# Allegro board BeagleBoard-X15_RevA2.brd (continued)
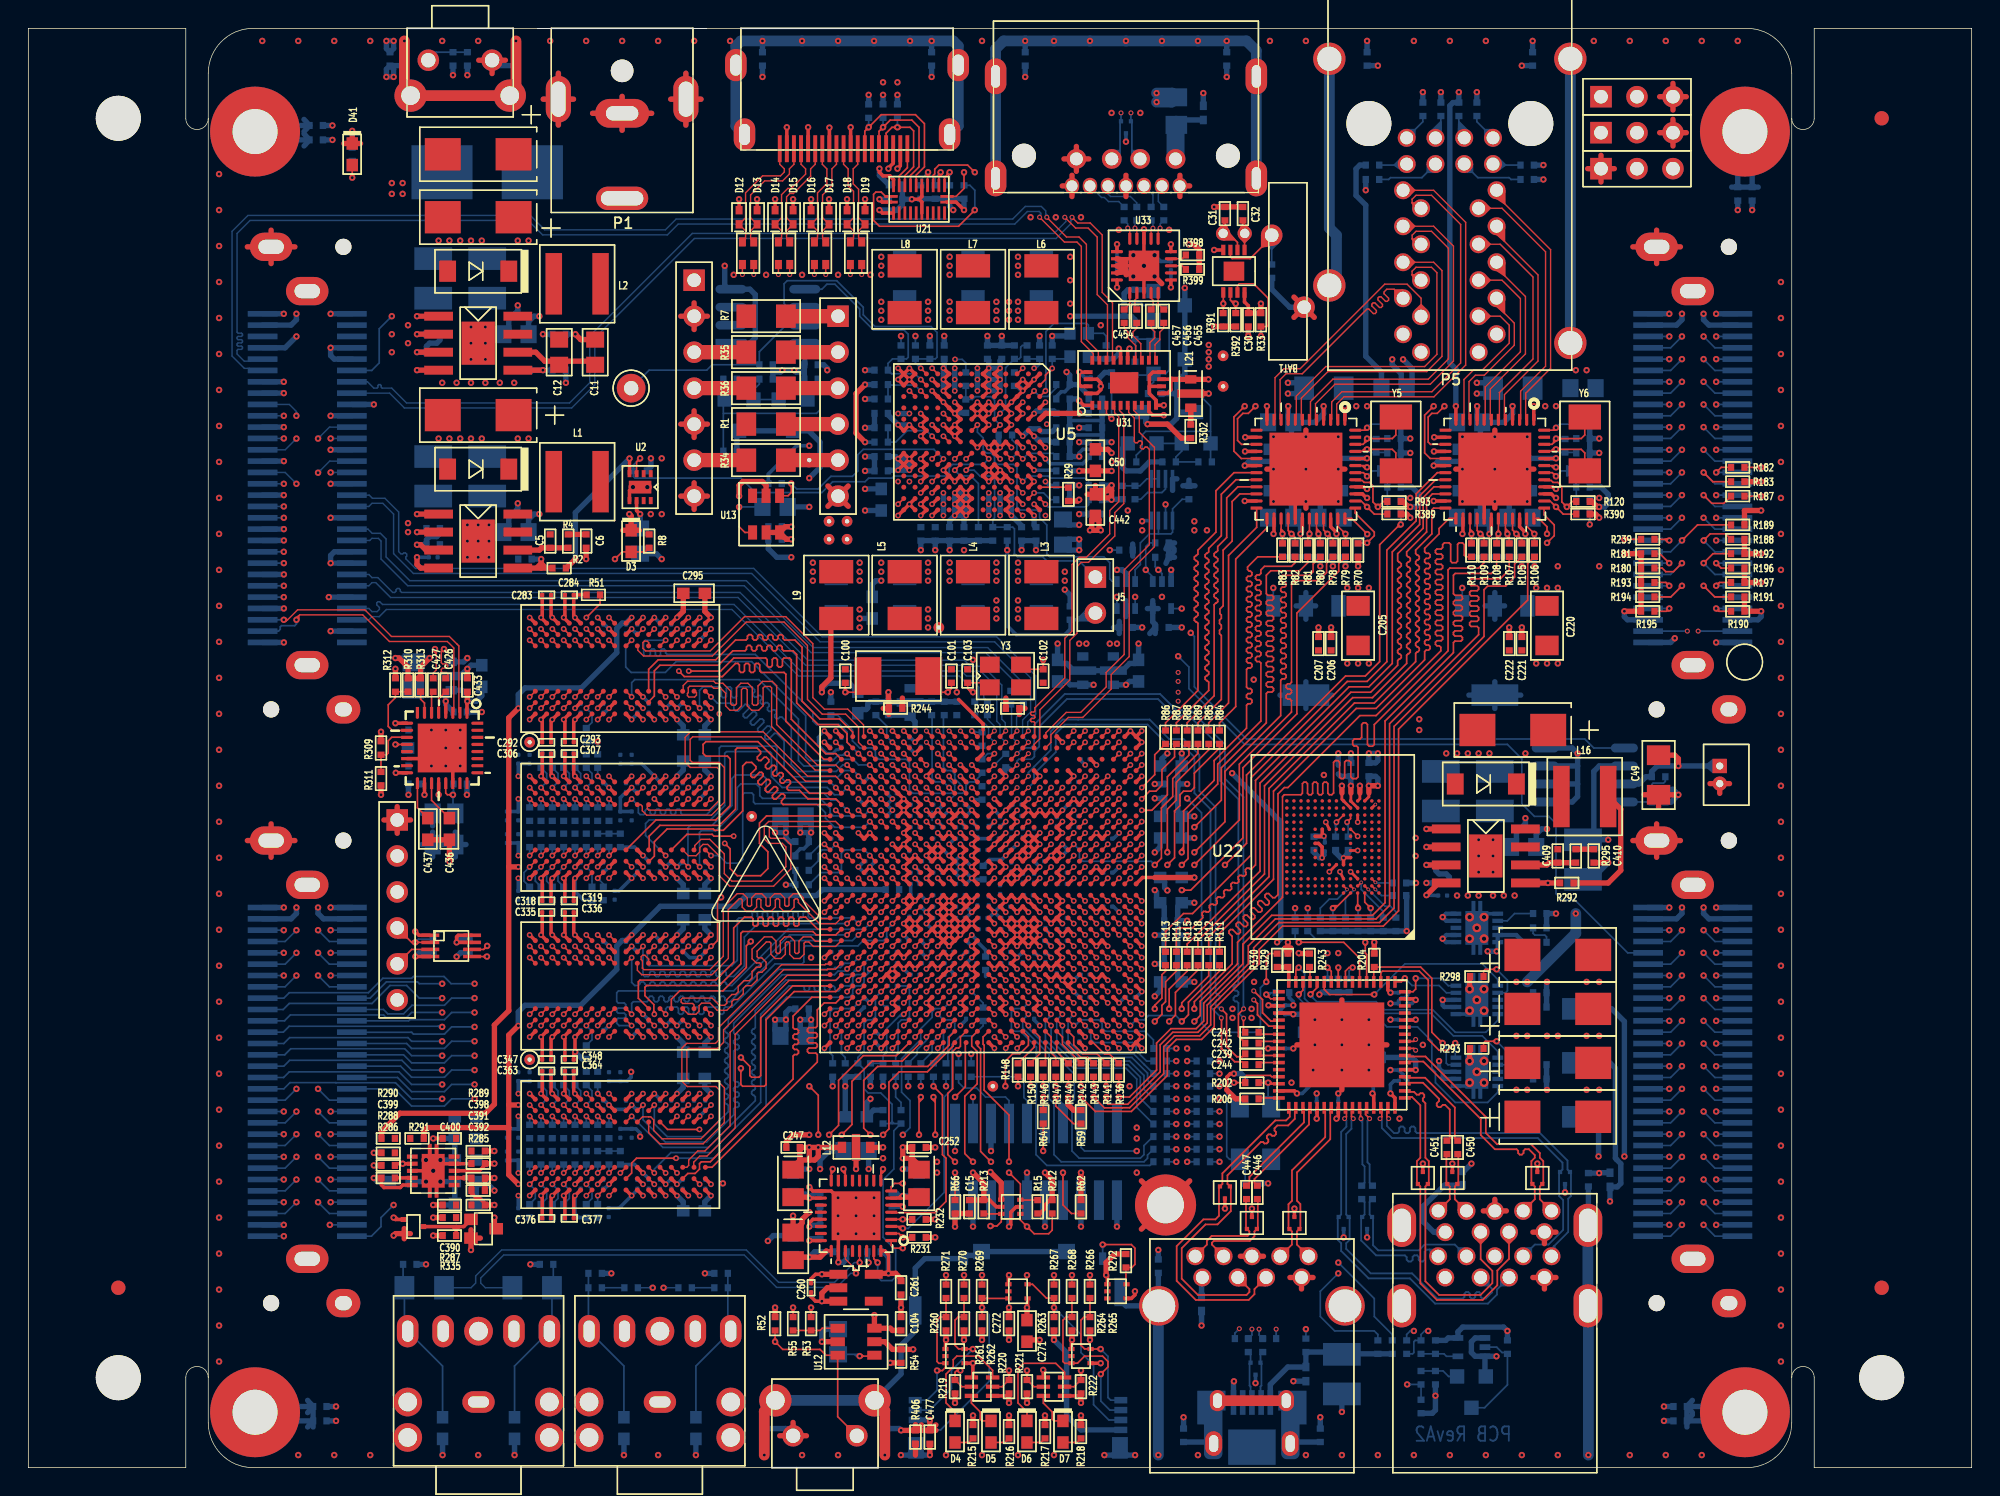
[diagram p0: board, top side]
## Routing (per net, layer and track width the routed paths; a pad name or vN(x,y) marks a point on that pad's centre or on a via; arc(x,y) is an arc through that point) (continued)
  SIG_L10 w0.094: v1(76.99,30.41) 77.16,30.41 77.59,29.98 79.51,29.98 80.52,30.99 81.41,30.99 81.89,31.47 81.89,31.98 v2(82.3,32.38)
EMAC[0]_RXC: length 36.7
  TOP w0.12: v2(81.41,40.77) 82.04,40.77 85.72,44.45 85.72,49.4 89.53,53.21 89.53,60.33 92.49,63.28 92.49,63.82 R79.1 ; U11.U5 v1(75.39,43.21)
  GND_L9 w0.094: v2(81.41,40.77) 80.92,41.25 77.62,41.25 77.34,41.53 77.34,41.78 77.17,41.96 76.79,41.96 76.58,42.16 76.58,42.55 76.3,42.83 75.76,42.83 v1(75.39,43.21)
EMAC[0]_RXCTL: length 36.7
  TOP w0.12: U11.V5 v1(75.39,44.01) ; v2(82.3,42.55) 85.47,45.72 85.47,49.66 89.15,53.34 89.15,54.15 89.05,54.25 88.88,54.25 88.77,54.36 88.77,54.51 88.88,54.61 89.05,54.61 89.15,54.72 89.15,54.86 89.05,54.97 88.88,54.97 88.77,55.08 88.77,55.22 88.88,55.33 89.05,55.33 89.15,55.44 89.15,62.36 89.41,62.61 91.06,62.61 91.63,63.18 91.63,63.85 R78.1
  GND_L9 w0.094: v2(82.3,42.55) 82.13,42.55 81.61,42.03 81.1,42.03 80.77,42.36 80.77,42.66 80.51,42.93 79.39,42.93 79.29,42.83 77.63,42.83 77.41,43.05 77.41,43.32 77.14,43.58 75.81,43.58 v1(75.39,44.01)
EMAC[0]_TXC: length 19
  TOP w0.12: U11.W9 v1(72.19,44.81) ; R85.1 83.31,50.67 81.03,48.39 81.03,47.12 80.39,46.48 v2(80.39,43.43)
  PWR_L6 w0.094: v2(80.39,43.43) 80.39,44.32 79.56,45.16 72.54,45.16 v1(72.19,44.81)
EMAC[0]_TXCTL: length 20.2
  TOP w0.12: v2(80.39,42.55) 80.9,43.05 80.9,46.35 81.28,46.74 81.28,47.5 81.53,47.75 82.04,47.75 82.3,48.01 82.3,49.02 84.07,50.8 R84.1 ; U11.V9 v1(72.19,44.01)
  PWR_L6 w0.094: v1(72.19,44.01) 72.54,43.65 72.54,43.03 72.77,42.8 78.87,42.8 78.96,42.9 80.04,42.9 v2(80.39,42.55)
EMAC[0]_TXD0: length 12
  TOP w0.12: U11.U6 v1(74.59,43.21) ; R86.1 79.5,50.33 79.5,48.92 v1(78.59,48.01)
  GND_L9 w0.094: v1(78.59,48.01) 77.43,46.85 76.93,46.85 76.84,46.76 76.84,46.76 76.63,46.55 76.63,46.31 76.35,46.03 75.62,46.03 74.84,45.25 74.54,45.25 74.17,44.88 74.17,43.62 v1(74.59,43.21)
EMAC[0]_TXD1: length 11.5
  TOP w0.12: R87.1 80.9,50.96 80.9,50.16 80.01,49.28 80.01,48.18 79.58,47.75 79.13,47.75 v1(78.59,47.21) ; U11.V6 v1(74.59,44.01)
  GND_L9 w0.094: v1(78.59,47.21) 78.28,47.21 77.13,46.05 76.91,46.05 76.54,45.68 76.54,45.46 76.33,45.25 75.34,45.25 75.03,44.95 75.03,44.68 74.59,44.23 v1(74.59,44.01)
EMAC[0]_TXD2: length 14.5
  TOP w0.12: R88.1 81.92,50.96 81.92,50.29 80.39,48.77 80.39,47.5 79.3,46.41 v1(78.59,46.41) ; U11.U7 v1(73.79,43.21)
  GND_L9 w0.094: v1(73.79,43.21) 74.19,42.8 74.71,42.8 75.01,43.09 75.01,44.16 75.3,44.45 76.33,44.45 76.54,44.66 76.54,44.96 76.79,45.21 77.08,45.21 77.34,45.46 77.34,45.71 78.03,46.41 v1(78.59,46.41)
EMAC[0]_TXD3: length 17
  TOP w0.12: U11.V7 v1(73.79,44.01) ; R89.1 82.55,50.42 80.77,48.64 80.77,47.37 79.97,46.57 79.97,43.01 v2(79.5,42.55)
  BOTTOM w0.12: v1(73.79,44.01) 74.19,43.61 74.19,43.04 74.42,42.81 79.24,42.81 v2(79.5,42.55)
EMAC[1]_RXC: length 66.9
  TOP w0.12: v2(74.3,26.16) 75.31,25.15 77.85,25.15 80.39,27.69 80.39,29.59 81.03,30.23 82.8,30.23 83.7,31.12 83.7,32.39 86.87,35.56 86.87,36.58 88.52,38.23 95.63,38.23 96.71,39.31 96.71,52.13 105.83,61.25 105.83,63.82 R106.1 ; U11.C5 v1(75.39,31.21)
  SIG_L10 w0.094: v1(75.39,31.21) 74.96,30.78 74.34,30.78 73.89,30.33 73.89,26.76 74.3,26.35 v2(74.3,26.16)
EMAC[1]_RXCTL: length 66.8
  TOP w0.12: U11.A3 v1(76.99,29.61) ; R105.1 104.9,63.79 104.9,62.87 104.27,62.23 103,62.23 102.74,61.98 102.74,58.67 96.39,52.32 96.39,39.5 95.38,38.48 88.27,38.48 86.49,36.7 86.49,35.56 83.45,32.53 83.45,31.26 82.68,30.48 80.9,30.48 80.14,29.72 80.14,27.81 77.73,25.41 77.22,25.41 77.22,25.4 75.95,25.4 v2(75.18,26.16)
  GND_L9 w0.094: v1(76.99,29.61) 76.62,29.23 76.62,29.14 76.84,28.92 76.84,28.83 76.77,28.77 76.68,28.77 76.33,29.11 76.24,29.11 76.18,29.05 76.18,28.96 76.52,28.61 76.52,28.52 76.46,28.45 76.37,28.45 76.02,28.8 75.93,28.8 75.86,28.74 75.86,28.65 76.21,28.3 76.21,28.21 76.15,28.14 76.06,28.14 75.83,28.36 75.74,28.36 75.59,28.21 75.59,26.56 v2(75.18,26.16)
EMAC[1]_TXC: length 11
  TOP w0.12: R112.1 83.31,34.72 81.41,32.81 v2(81.41,32.38) ; U11.D5 v1(75.39,32.01)
  SIG_L10 w0.094: v1(75.39,32.01) 75.81,32.43 78.91,32.43 79.35,32.87 80.92,32.87 v2(81.41,32.38)
EMAC[1]_TXCTL: length 9.7
  TOP w0.12: R111.1 84.07,35.05 81.88,32.86 81.88,31.97 v2(81.41,31.5) ; U11.C2 v1(77.79,31.21)
  BOTTOM w0.12: v1(77.79,31.21) 78.19,31.61 78.75,31.61 79.06,31.91 80.99,31.91 v2(81.41,31.5)
EMAC[1]_TXD0: length 9.5
  TOP w0.12: R113.1 80.26,35.05 80.01,34.8 80.01,33.15 79.5,32.64 v2(79.5,32.38) ; U11.D6 v1(74.59,32.01)
  SIG_L8 w0.094: v1(74.59,32.01) 74.97,31.62 78.49,31.62 78.49,31.63 78.74,31.63 78.96,31.85 78.96,32.1 79.25,32.38 v2(79.5,32.38)
EMAC[1]_TXD1: length 8.2
  TOP w0.12: v2(79.5,31.5) 80.01,32 80.01,32.64 80.26,32.89 80.26,34.29 81.03,35.05 R114.1 ; U11.B2 v1(77.79,30.41)
  SIG_L8 w0.094: v1(77.79,30.41) 77.8,30.41 78.22,29.98 78.88,29.98 79.5,30.61 v2(79.5,31.5)
EMAC[1]_TXD2: length 9
  TOP w0.12: U11.C4 v1(76.19,31.21) ; R115.1 81.79,35.05 80.52,33.78 v2(80.52,32.38)
  SIG_L10 w0.094: v2(80.52,32.38) 80.12,31.98 79.23,31.98 78.87,31.62 76.6,31.62 v1(76.19,31.21)
EMAC[1]_TXD3: length 9.4
  TOP w0.12: U11.C3 v1(76.99,31.21) ; R118.1 82.55,35.13 80.96,33.54 80.96,31.94 v2(80.52,31.5)
  SIG_L10 w0.094: v2(80.52,31.5) 79.8,30.78 77.41,30.78 v1(76.99,31.21)
EMMC_VDD1.1: length 1.6
  TOP w0.12: v4(95.07,41.31) 95.07,41.32 U22.C2
  BOTTOM w0.12: v4(95.07,41.31) 95.11,41.27 C270.2
EMU0: length 22.8
  TOP w0.12: U11.G21 v1(61.79,34.41) ; v2(72.52,26.16) 72.52,25.53 73.75,24.29 R59.2
  SIG_L10 w0.094: v2(72.52,26.16) 72.52,26.29 72.11,26.69 72.11,27.45 70.74,28.83 68.45,28.83 67.31,29.97 67.31,33.52 66.8,34.03 64.01,34.03 63.81,34.23 63.81,34.52 63.53,34.8 62.23,34.8 61.84,34.41 v1(61.79,34.41)
  BOTTOM w0.12: v2(72.52,26.16) 73.03,25.65 73.03,24.3
EMU1: length 30.2
  TOP w0.12: R62.2 73.63,17.94 73.03,18.54 v2(73.03,20.83) ; U11.D24 v1(59.39,32.01)
  SIG_L8 w0.094: v2(73.03,20.83) 72.52,20.32 65.15,20.32 64.77,20.7 64.77,20.95 v2(64.13,21.59)
  GND_L9 w0.094: v2(64.13,21.59) 63.44,22.29 63.44,28.77 62.99,29.21 62.99,31.37 62.74,31.62 59.77,31.62 v1(59.39,32.01)
  BOTTOM w0.12: 73.03,18.88 v2(73.03,20.83)
EMU_RSTN: length 51.2
  INT_L3 w0.094: v2(78.23,22.35) 79.5,23.62 79.5,29.95 80.87,31.32 80.87,43.69 80.26,44.29 80.26,48.39 79.76,48.89 79.76,51.94 79.12,52.58 79.12,58.04 79.63,58.55 79.63,60.58 79.12,61.09 79.12,62.74 v2(79.76,63.37)
  BOTTOM w0.12: v2(78.23,22.35) 74.55,22.35 74.3,22.61 P4.15 ; R44.2 79.54,63.59 v2(79.76,63.37) 80.01,63.12 U10.2
ENET0_INTN: length 80.3
  TOP w0.12: R389.2 95,67.31 v2(94.49,67.82) 94.07,68.24 U14.38 ; U11.D26 v1(57.79,32.01)
  INT_L3 w0.094: v2(91.69,36.32) 92.84,37.47 92.84,39.75 90.17,42.42 90.17,64.39 90.58,64.8 92.87,64.8 93.6,65.53 93.6,66.93 v2(94.49,67.82)
  SIG_L8 w0.094: v2(91.69,36.32) 91.69,35.94 85.72,29.97 84.58,29.97 82.04,27.43 68.96,27.43 66.17,30.23 66.17,31.37 65.95,31.58 60.87,31.58 60.58,31.88 60.58,32.15 60.34,32.38 58.16,32.38 v1(57.79,32.01)
ENET1_INTN: length 96.9
  TOP w0.12: R390.2 108.33,67.31 v2(107.82,67.82) 107.41,68.24 U15.38 ; U11.D28 v1(56.19,32.01)
  INT_L3 w0.094: v2(92.46,36.32) 93.09,36.96 93.09,39.88 90.42,42.55 90.42,64.26 90.74,64.58 93.03,64.58 93.85,65.41 93.85,65.91 95.38,67.44 107.44,67.44 v2(107.82,67.82)
  SIG_L8 w0.094: v2(92.46,36.32) 91.95,36.83 91.44,36.83 91.19,36.58 91.19,35.79 85.75,30.35 81.79,30.35 81.39,29.95 81.39,29.44 81.03,29.08 80.26,29.08 79.12,27.94 69.22,27.94 67.31,29.84 67.31,32.64 66.77,33.18 57.36,33.18 v1(56.19,32.01)
ENET_PORZ: length 104.8
  INT_L3 w0.094: v2(89.15,27.18) 88.01,28.32 88.01,35.31 87.38,35.94 87.38,61.34 83.19,65.53 v2(83.19,66.17) ; v2(110.87,68.45) 109.83,69.49 98.57,69.49 v2(97.54,68.45)
  SIG_L8 w0.094: v2(89.15,27.18) 86.74,24.77 86.74,24.74 63.39,24.74 v2(61.21,26.92)
  SIG_L10 w0.094: v2(83.19,66.17) 84.07,67.06 96.14,67.06 v2(97.54,68.45)
  BOTTOM w0.12: v2(97.54,68.45) 96.99,68.45 R96.1 ; R40.2 61.59,25.78 61.21,26.16 v2(61.21,26.92) R39.2 ; v2(110.87,68.45) 110.33,68.45 R123.1
ESATA_R+: length 1.7
  BOTTOM w0.102: C420.1 79.76,89.37 79.76,90.22 P6.10
ESATA_R-: length 1.8
  BOTTOM w0.102: C418.1 79.38,89.12 79.38,89.84 P6.9
ESATA_T+: length 3
  BOTTOM w0.102: P6.6 75.75,89.66 75.95,89.66 76.23,89.37 76.96,89.37 C416.2
ESATA_T-: length 3.1
  BOTTOM w0.102: P6.7 76.2,89.91 76.38,89.73 77.78,89.73 78.23,89.28 C417.1
ETH0_1.2V: length 10.1
  TOP w0.381: C207.1 v2(91.06,59.31) ; C206.1 v2(91.95,59.31)
  BOTTOM w0.381: 88.34,54.53 Q1.4 ; Q1.4 90.17,53.59 ; Q1.4 90.17,55.47 ; Q1.4 92,54.53 ; 90.17,59.89 Q1.2 ; Q1.2 90.86,60.83 ; Q1.2 89.48,60.83 ; Q1.2 90.17,61.77
ETH0_3V3: length 30.3
  TOP w0.254: v2(92.33,65.91) 92.33,66.01 91.92,66.42 U14.34 ; U14.1 v2(92.92,74.93) ; v2(94.49,69.09) 94.39,69.09 94.24,69.24 U14.40 ; U14.12 v2(87.42,74.93) ; U14.16 v2(85.87,71.73)
  TOP w0.381: R93.2 97.02,68.2 97.31,67.91 97.32,67.91 97.41,67.82 v2(97.54,67.82) ; R70.1 v2(93.85,63.63)
  BOTTOM w0.381: FB3.2 95.5,77.34 94.39,78.45 94.39,89.12 93.71,89.8 93.71,91.68 93.98,91.95 R90.2 ; v2(97.54,67.82) 97.92,67.82 98.17,68.07 98.17,68.71 97.66,69.22 R95.1 ; v2(93.85,63.63) R70.1 ; R77.1 R76.1 R75.1 R74.1 v2(91.19,63.63)
  vias: v2(93.09,62.1) v2(93.73,74.93) v2(93.85,62.1) v2(94.49,74.93) v2(94.61,62.1)
ETH0_LDO: length 14.6
  TOP w0.12: v2(94.49,70.61) 94.49,70.62 94.37,70.73 U14.43
  SIG_L5 w0.094: v2(94.49,70.61) 93.37,69.49 93.37,65.55 92.33,64.52 90.28,64.52 v2(87.87,62.1)
  BOTTOM w0.12: Q1.1 v2(87.87,62.1)
ETH1_1.2V: length 10.1
  TOP w0.381: C222.2 v2(104.52,59.31) ; C221.1 v2(105.41,59.31)
  BOTTOM w0.381: Q2.4 103.5,55.47 ; Q2.4 105.33,54.53 ; Q2.4 101.68,54.53 ; Q2.4 103.5,53.59 ; 102.82,60.83 Q2.2 ; Q2.2 103.5,61.77 ; Q2.2 104.19,60.83 ; Q2.2 103.5,59.89
ETH1_3V3: length 35.7
  TOP w0.254: v2(107.82,69.09) 107.73,69.09 107.58,69.24 U15.40 ; v2(105.66,65.91) 105.66,66.01 105.26,66.42 U15.34 ; U15.1 v2(106.26,74.93) ; U15.16 v2(99.21,71.73) ; U15.12 v2(100.75,74.93)
  TOP w0.381: R120.2 110.35,68.2 110.64,67.91 110.66,67.91 110.74,67.82 v2(110.87,67.82)
  BOTTOM w0.381: v2(105.41,63.63) R99.1 R101.1 R102.1 R103.1 R104.1 ; v2(100.97,97.09) R117.2 100.55,96.36 100.33,96.14 100.33,77.98 100.75,77.55 v2(100.75,74.93) ; R122.1 111,69.22 111.51,68.71 111.51,68.07 111.25,67.82 v2(110.87,67.82)
  vias: v2(106.43,62.1) v2(107.06,74.93) v2(107.19,62.1) v2(107.82,74.93) v2(107.95,62.1)
ETH1_LDO: length 14.6
  TOP w0.12: v2(107.82,70.61) 107.82,70.62 107.7,70.73 U15.43
  SIG_L5 w0.094: v2(101.2,62.1) 103.62,64.52 105.66,64.52 106.7,65.55 106.7,69.49 v2(107.82,70.61)
  BOTTOM w0.12: Q2.1 v2(101.2,62.1)
ETH_RESETN: length 54.5
  TOP w0.12: v2(96.87,66.58) 96.81,66.58 95.38,65.15 95.38,56.9 94.36,55.88 92.96,55.88 85.98,48.9 85.98,44.07 v2(84.45,42.55) ; U11.U3 v1(76.99,43.21)
  INT_L3 w0.094: v2(96.87,66.58) 99.35,66.58 99.57,66.8 109.98,66.8 v2(110.2,66.58)
  GND_L9 w0.094: v2(84.45,42.55) 84.05,42.14 82.13,42.14 81.77,41.78 80.9,41.78 80.65,42.04 77.6,42.04 77.36,42.27 77.36,42.65 76.99,43.03 v1(76.99,43.21)
  BOTTOM w0.12: R317.1 v2(110.2,66.58) ; R316.1 v2(96.87,66.58)
EXP_SATA_RXN: length 70.8
  TOP w0.102: v3(73.15,88.27) 73.91,87.5 74.8,87.5 75.44,86.87 75.44,82.81 76.17,82.08 76.17,78.24 U31.22
  BOTTOM w0.102: v3(73.15,88.27) 73.23,88.19 73.23,87.96 72.39,87.12 46.86,87.12 39.62,79.88 39.62,76.58 38.2,75.16 26.69,75.16 25.64,76.21 24.97,76.21 24.9,76.27 24.9,76.39 24.84,76.45 24.74,76.45 24.67,76.39 24.67,76.27 24.61,76.21 24.38,76.21 23.93,76.65 P19.7
EXP_SATA_RXP: length 70.8
  TOP w0.102: v3(73.66,88.27) 73.66,88.26 74.06,87.86 74.95,87.86 75.79,87.02 75.79,82.96 76.52,82.23 76.52,78.24 U31.21
  BOTTOM w0.102: P19.8 25.5,75.85 26.54,74.8 38.35,74.8 39.98,76.43 39.98,79.74 47.01,86.77 72.54,86.77 73.58,87.81 73.58,88.19 v3(73.66,88.27)
EXP_SATA_TXN: length 83.1
  TOP w0.102: U31.23 75.52,78.24 75.52,78.78 74.68,79.63 74.68,86.35 74.16,86.87 73.27,86.87 71.88,88.26 v3(71.88,88.27)
  BOTTOM w0.102: v3(71.88,88.27) 71.81,88.34 71.81,88.72 71.5,89.03 70.36,89.03 69.47,88.14 45.72,88.14 44.96,87.38 36.44,87.38 35.43,88.39 15.5,88.39 14.38,87.27 14.38,78.47 15.25,77.6 15.62,77.6 15.77,77.45 P19.36
EXP_SATA_TXP: length 83.2
  TOP w0.102: v3(71.37,88.27) 73.13,86.51 74.02,86.51 74.32,86.21 74.32,79.48 75.17,78.64 75.17,78.24 U31.24
  BOTTOM w0.102: P19.35 15.77,78.25 15.62,78.11 15.24,78.11 14.73,78.61 14.73,78.87 14.8,78.94 15.05,78.94 15.11,79.01 15.11,79.1 15.05,79.17 14.8,79.17 14.73,79.23 14.73,79.33 14.8,79.4 15.05,79.4 15.11,79.46 15.11,79.56 15.05,79.62 14.8,79.62 14.73,79.69 14.73,79.79 14.8,79.85 15.05,79.85 15.11,79.92 15.11,80.02 15.05,80.08 14.8,80.08 14.73,80.15 14.73,87.12 15.65,88.04 35.28,88.04 36.3,87.02 45.11,87.02 45.87,87.78 69.62,87.78 70.51,88.67 71.35,88.67 71.45,88.57 71.45,88.34 v3(71.37,88.27)
EXT_WAKE: length 108.1
  TOP w0.12: U6.7 85.34,83.44 85.47,83.57 86.49,83.57 87.5,82.55 87.5,80.64 87.41,80.55 R33.2 v2(87,79.88) ; U11.AC16 v1(65.79,48.01)
  SIG_L5 w0.094: v2(81.15,57.28) 84.96,61.09 84.96,74.93 87,76.96 v2(87,79.88)
  SIG_L8 w0.094: v1(65.79,48.01) 66.23,48.45 66.23,48.95 66.44,49.16 78.87,49.16 79.88,50.16 79.88,56.01 v2(81.15,57.28)
  BOTTOM w0.12: v1(65.79,48.01) 65.79,48.24 65.39,48.64 65.39,48.97 65.15,49.21 64.82,49.21 64.59,49.44 64.59,53.06 R49.1 ; v2(81.15,57.28) 81.92,56.52 81.92,54.99 85.85,51.05 104.39,51.05 105.41,50.04 105.41,46.86 106.3,45.97 107.31,45.97 107.82,45.47 107.82,40.51 108.27,40.07 109.16,40.07 112.88,36.34 P18.35
GPIO2_2: length 63
  TOP w0.12: U11.P4 v1(76.19,40.01)
  SIG_L5 w0.094: v2(116.71,70.25) 117.35,69.61 117.35,60.83 104.27,47.75 99.95,47.75 97.28,45.09 90.42,45.09 86.49,41.15 82.04,41.15 81.79,41.4 79.18,41.4 78.82,41.05 78.16,41.05 78,40.89 77.43,40.89 77.15,40.61 76.68,40.61 76.19,40.12 v1(76.19,40.01)
  BOTTOM w0.12: v2(116.71,70.25) 116.71,70.25 115.91,69.45 P16.46
GPIO2_3: length 67.6
  TOP w0.12: U11.R3 v1(76.99,41.61)
  SIG_L10 w0.094: v2(119.13,76.65) 118.69,77.09 117.98,77.09 117.12,76.22 117.12,74.57 116.36,73.82 116.36,73.31 116.08,73.03 115.32,73.03 114.3,72.01 114.3,59.69 103.38,48.77 92.33,48.77 91.82,48.26 90.81,48.26 84.69,42.14 81.89,42.14 81.66,41.91 78.01,41.91 77.94,41.98 77.42,41.98 77.04,41.61 v1(76.99,41.61)
  BOTTOM w0.12: P16.7 v2(119.13,76.65)
GPIO2_4: length 63.3
  TOP w0.12: U11.T2 v1(77.79,42.41)
  SIG_L10 w0.094: v1(77.79,42.41) 77.79,42.48 78.11,42.8 78.87,42.8 79.02,42.95 81.56,42.95 81.81,43.2 81.81,43.58 82.04,43.81 84.46,43.81 89.92,49.28 103.12,49.28 113.79,59.94 113.79,72.39 115.7,74.3 115.96,74.3 v2(116.71,75.05)
  BOTTOM w0.12: P16.40 115.91,74.25 v2(116.71,75.05)
GPIO2_5: length 61.4
  TOP w0.12: U11.U2 v1(77.79,43.21)
  SIG_L10 w0.094: v2(116.71,76.65) 113.28,73.22 113.28,64.14 99.95,50.8 90.42,50.8 84.45,44.83 81.15,44.83 80.39,44.07 79.26,44.07 78.77,43.58 78.25,43.58 77.88,43.21 v1(77.79,43.21)
  BOTTOM w0.12: v2(116.71,76.65) 116.71,76.65 115.91,75.85 P16.38
GPIO2_6: length 60
  TOP w0.12: U11.U1 v1(78.59,43.21)
  SIG_L10 w0.094: v2(115.82,75.05) 113.54,72.77 113.54,60.07 103.5,50.04 90.17,50.04 84.2,44.07 80.9,44.07 80.67,43.84 79.34,43.84 79.1,43.6 79.1,43.41 78.89,43.21 v1(78.59,43.21)
  BOTTOM w0.12: P16.39 v2(115.82,75.05)
GPIO2_8: length 67.7
  TOP w0.12: U11.R2 v1(77.79,41.61)
  SIG_L10 w0.094: v2(118.24,76.65) 117.35,75.76 117.35,73.41 116.71,72.77 115.44,72.77 114.55,71.88 114.55,58.67 104.39,48.51 92.46,48.51 91.95,48.01 91.06,48.01 84.31,41.25 82.13,41.25 81.78,41.61 81.77,41.61 81.75,41.62 77.8,41.62 v1(77.79,41.61)
  BOTTOM w0.12: v2(118.24,76.65) 118.24,76.65 119.04,75.85 P16.8
GPIO2_17: length 57.3
  TOP w0.12: U11.P3 v1(76.99,40.01)
  SIG_L8 w0.094: v1(76.99,40.01) 76.99,40.16 77.6,40.77 77.79,40.77 78.07,41.05 78.76,41.05 79.12,41.4 81.41,41.4 81.53,41.27 82.42,41.27 82.87,41.72 82.87,43.37 93.34,53.85 102.11,53.85 109.47,61.21 109.47,62.23 109.47,62.99 114.43,67.94 116.33,67.94 116.71,68.33 v2(116.71,68.65)
  BOTTOM w0.12: v2(116.71,68.65) 115.91,67.85 P16.48
GPIO2_19: length 59.7
  TOP w0.12: U11.T1 v1(78.59,42.41)
  SIG_L10 w0.094: v1(78.59,42.41) 78.85,42.14 81.57,42.14 81.89,42.46 81.89,42.71 82.21,43.03 84.18,43.03 89.66,48.51 91.69,48.51 92.2,49.02 103.25,49.02 114.05,59.82 114.05,72.14 115.36,73.45 v2(115.82,73.45)
  BOTTOM w0.12: P16.41 v2(115.82,73.45)
GPIO2_20: length 52.8
  TOP w0.12: U11.P2 v1(77.79,40.01)
  SIG_L8 w0.094: v2(115.82,67.05) 115.69,67.05 109.98,61.34 109.98,60.96 102.36,53.34 93.85,53.34 83.31,42.8 83.31,41.27 82.55,40.51 82.04,40.51 81.66,40.13 79.38,40.13 78.9,40.6 78.34,40.6 78.21,40.47 77.79,40.05 v1(77.79,40.01)
  BOTTOM w0.12: P16.49 v2(115.82,67.05)
GPIO2_23: length 55.2
  TOP w0.12: U11.N1 v1(78.59,39.21)
  SIG_L8 w0.094: v1(78.59,39.21) 78.78,39.01 82.7,39.01 91.19,47.5 96.14,47.5 99.7,51.05 103.25,51.05 111,58.8 111,60.58 115.44,65.02 115.95,65.02 116.2,65.28 116.2,65.53 116.53,65.85 118.72,65.85 v2(119.13,65.45)
  BOTTOM w0.12: P16.21 v2(119.13,65.45)
GPIO2_24: length 58.4
  TOP w0.12: U11.M5 v1(75.39,38.41)
  SIG_L8 w0.094: v2(115.82,68.65) 114.37,68.65 108.97,63.25 108.97,61.47 101.85,54.36 92.84,54.36 82.55,44.07 82.04,44.07 81.79,43.81 81.79,42.42 81.28,41.91 79.05,41.91 78.98,41.98 77.63,41.98 77.41,41.76 77.41,41.47 76.45,40.51 76.16,40.51 75.81,40.16 75.81,39.89 75.54,39.63 75.28,39.63 75.02,39.37 75.01,39.37 75.01,38.83 75.39,38.45 v1(75.39,38.41)
  BOTTOM w0.12: P16.47 v2(115.82,68.65)
GPIO2_25: length 59.2
  TOP w0.12: U11.M3 v1(76.99,38.41)
  SIG_L8 w0.094: v1(76.99,38.41) 77.36,38.78 77.36,39.39 77.6,39.62 77.94,39.62 78.21,39.89 78.21,40.16 78.43,40.38 78.74,40.38 79.25,39.88 81.73,39.88 82.13,40.28 82.7,40.28 83.57,41.15 83.57,42.55 90.3,49.28 96.39,49.28 98.93,51.82 102.11,51.82 106.81,56.52 106.81,57.4 110.24,60.83 110.24,61.21 115.57,66.55 116.08,66.55 116.31,66.78 116.31,67.22 116.55,67.45 118.72,67.45 v2(119.13,67.05)
  BOTTOM w0.12: P16.19 v2(119.13,67.05)
GPIO2_28: length 56.8
  TOP w0.12: U11.N2 v1(77.79,39.21)
  SIG_L8 w0.094: v1(77.79,39.21) 77.94,39.21 78.36,39.62 78.74,39.62 79.12,39.24 82.55,39.24 91.06,47.75 95.89,47.75 99.44,51.31 103.12,51.31 110.74,58.93 110.74,60.96 115.86,66.07 117.26,66.07 v2(118.24,67.05)
  BOTTOM w0.12: P16.20 119.04,66.25 v2(118.24,67.05)
GPIO2_31: length 62.2
  TOP w0.12: U11.AH7 v1(73.79,52.01)
  SIG_L8 w0.094: v1(73.79,52.01) 73.55,52.01 72.72,52.83 67.62,52.83 66.08,54.37 63.99,54.37 62.47,55.9 55.41,55.9 50.35,60.96 20.15,60.96 19.94,61.16 19.94,61.34 19.83,61.45 19.66,61.45 19.06,62.04 18.24,62.04 v2(18.03,62.25)
  BOTTOM w0.12: v2(18.03,62.25) P19.55
GPIO3_6: length 62.2
  TOP w0.12: U11.AG7 v1(73.79,51.21)
  SIG_L8 w0.094: v2(18.03,61.45) 18.22,61.64 18.9,61.64 19.98,60.56 50.18,60.56 55.25,55.5 62.3,55.5 63.83,53.98 65.91,53.98 67.45,52.43 72.56,52.43 v1(73.79,51.21)
  BOTTOM w0.12: P19.56 v2(18.03,61.45)
GPIO3_7: length 64.2
  TOP w0.12: U11.AH6 v1(74.59,52.01)
  SIG_L8 w0.094: v2(18.03,64.65) 18.03,64.34 18.12,64.25 19.83,64.25 21.95,62.12 50.71,62.12 56.17,56.66 62.85,56.66 63.86,55.64 67.09,55.64 69.02,53.72 73.21,53.72 74.57,52.36 74.57,52.02 v1(74.59,52.01)
  BOTTOM w0.12: P19.52 v2(18.03,64.65)
GPIO3_8: length 72.8
  TOP w0.12: U11.AH3 v1(76.99,52.01)
  SIG_L8 w0.094: v2(18.92,69.45) 18.92,69.22 18.8,69.09 18.63,69.09 18.51,69.21 18.51,69.89 19.6,70.98 39.26,70.98 42.18,68.05 45.23,68.05 45.86,67.42 49.42,67.42 58.31,58.53 63.77,58.53 64.02,58.28 68.85,58.28 71.12,56.01 75.06,56.01 77.04,54.03 77.04,52.05 v1(76.99,52.01)
  BOTTOM w0.102: P19.45 18.12,70.25 v2(18.92,69.45)
GPIO3_9: length 66.6
  TOP w0.12: U11.AH5 v1(75.39,52.01)
  SIG_L8 w0.094: v2(18.03,67.85) 18.03,67.54 18.13,67.45 20.11,67.45 24.42,63.14 51.22,63.14 56.95,57.4 63.19,57.4 64.06,56.53 67.73,56.53 69.63,54.63 73.44,54.63 75.39,52.69 v1(75.39,52.01)
  BOTTOM w0.102: v2(18.03,67.85) P19.48
GPIO3_10: length 64.2
  TOP w0.12: U11.AG6 v1(74.59,51.21)
  SIG_L8 w0.094: v2(18.03,63.85) 19.66,63.85 21.79,61.72 50.55,61.72 56.01,56.26 62.68,56.26 63.7,55.24 66.93,55.24 68.85,53.32 73.04,53.32 74.17,52.2 74.17,51.62 v1(74.59,51.21)
  BOTTOM w0.12: P19.53 v2(18.03,63.85)
GPIO3_11: length 66.9
  TOP w0.12: U11.AH4 v1(76.19,52.01)
  SIG_L8 w0.094: v1(76.19,52.01) 76.19,52.59 73.66,55.12 70.23,55.12 67.84,57.51 63.46,57.51 63.21,57.77 57.55,57.77 48.79,66.53 41.93,66.53 38.66,69.8 20.88,69.8 v2(20.45,70.23)
  BOTTOM w0.102: v2(20.45,70.23) 21.27,71.05 P19.14
GPIO3_12: length 67
  TOP w0.12: U11.AG4 v1(76.19,51.21)
  SIG_L8 w0.094: v1(76.19,51.21) 76.58,51.6 76.58,52.76 73.83,55.52 70.4,55.52 68,57.91 63.63,57.91 63.37,58.17 57.71,58.17 48.95,66.93 42.09,66.93 38.82,70.2 22.75,70.2 22.67,70.28 22.67,70.4 22.58,70.48 22.47,70.48 22.39,70.4 22.39,70.28 22.3,70.2 22.19,70.2 22.1,70.28 22.1,70.4 22.02,70.48 21.9,70.48 21.82,70.4 21.82,70.28 21.74,70.2 21.39,70.2 v2(21.34,70.25)
  BOTTOM w0.102: P19.15 v2(21.34,70.25)
GPIO3_14: length 72.9
  TOP w0.12: U11.AG3 v1(76.99,51.21)
  SIG_L8 w0.094: v2(18.03,69.45) 18.11,69.53 18.11,70.05 19.43,71.37 39.43,71.37 42.35,68.45 45.39,68.45 46.03,67.82 49.59,67.82 58.48,58.93 63.94,58.93 64.19,58.68 69.01,58.68 71.29,56.41 75.22,56.41 77.43,54.19 77.43,51.65 v1(76.99,51.21)
  BOTTOM w0.102: v2(18.03,69.45) P19.46
GPIO3_15: length 66.5
  TOP w0.12: U11.AG5 v1(75.39,51.21)
  SIG_L8 w0.094: v2(18.03,67.05) 19.94,67.05 24.26,62.74 51.05,62.74 56.79,57.01 63.03,57.01 63.9,56.13 67.56,56.13 69.47,54.23 73.28,54.23 74.99,52.52 74.99,51.6 v1(75.39,51.21)
  BOTTOM w0.102: v2(18.03,67.05) P19.49
GPIO3_16: length 78.6
  TOP w0.12: U11.AF2 v1(77.79,50.41)
  SIG_L8 w0.094: v2(18.03,72.65) 18.2,72.82 18.2,73.12 18.75,73.68 22.39,73.68 23.93,72.14 40.44,72.14 42.08,70.5 44.22,70.5 44.87,69.85 50.04,69.85 53.34,66.55 53.34,65.33 53.65,65.02 55.3,65.02 58.73,61.59 63.81,61.59 66.08,59.33 70.52,59.33 72.56,57.29 76.75,57.29 79.38,54.67 79.38,50.67 78.74,50.04 78.15,50.04 v1(77.79,50.41)
  BOTTOM w0.102: v2(18.03,72.65) P19.42
GPIO3_18: length 78.5
  TOP w0.12: U11.AF3 v1(76.99,50.41)
  SIG_L8 w0.094: v1(76.99,50.41) 77.39,50.8 78.74,50.8 78.98,51.04 78.98,54.5 76.58,56.9 72.39,56.9 70.36,58.93 65.91,58.93 63.64,61.2 58.56,61.2 55.14,64.63 53.48,64.63 52.94,65.17 52.94,66.38 49.87,69.45 44.7,69.45 44.05,70.1 41.91,70.1 40.28,71.74 23.77,71.74 22.23,73.28 18.92,73.28 18.6,72.96 18.6,72.84 18.8,72.64 v2(18.92,72.64)
  BOTTOM w0.102: v2(18.92,72.64) 18.13,71.85 P19.43
GPIO3_20: length 72.1
  TOP w0.12: U11.AF1 v1(78.59,50.41)
  SIG_L5 w0.094: v2(20.45,72.64) 20.86,73.05 22.25,73.05 25.2,70.1 47.37,70.1 58.91,58.56 71.48,58.56 73.84,56.21 73.84,55.7 74.94,54.6 75.83,54.6 78.14,52.29 78.14,52.15 78.14,52.15 78.14,50.85 v1(78.59,50.41)
  BOTTOM w0.102: P19.11 21.25,73.45 v2(20.45,72.64)
GPIO3_23: length 79.9
  TOP w0.12: U11.AE1 v1(78.59,49.61)
  SIG_L5 w0.094: v1(78.59,49.61) 78.99,50.01 78.99,54.31 75.31,57.99 75.31,58.36 74.59,59.09 67.28,59.09 65.15,61.21 58.55,61.21 55.23,64.53 55.23,65.93 48.91,72.25 37.23,72.25 36.21,73.26 23.64,73.26 23.22,73.68 23.11,73.68 22.84,73.41 22.73,73.41 22.64,73.5 22.64,73.61 22.91,73.88 22.91,73.99 22.82,74.08 22.71,74.08 22.44,73.81 22.33,73.81 22.24,73.89 22.24,74.01 22.51,74.28 22.51,74.39 22.3,74.6 19.07,74.6 18.92,74.46 v2(18.92,74.25)
  BOTTOM w0.102: P19.39 18.42,75.05 18.92,74.55 v2(18.92,74.25)
GPIO3_24: length 72
  TOP w0.12: U11.AE2 v1(77.79,49.61)
  SIG_L5 w0.094: v1(77.79,49.61) 77.67,49.61 77.34,49.93 77.34,52.52 75.66,54.2 74.78,54.2 73.44,55.53 73.44,56.04 71.32,58.17 58.75,58.17 47.21,69.71 25.04,69.71 22.96,71.78 22.84,71.78 22.51,71.45 22.4,71.45 22.32,71.54 22.32,71.65 22.64,71.98 22.64,72.1 22.56,72.18 22.44,72.18 22.12,71.85 22,71.85 21.92,71.94 21.92,72.05 22.24,72.38 22.24,72.5 22.09,72.65 v2(21.34,72.65)
  BOTTOM w0.102: v2(21.34,72.65) P19.12
GPIO3_26: length 79.9
  TOP w0.12: U11.AD2 v1(77.79,48.81)
  SIG_L5 w0.094: v1(77.79,48.81) 78.19,49.21 78.75,49.21 79.39,49.85 79.39,54.48 75.71,58.16 75.71,58.53 74.75,59.49 67.44,59.49 65.32,61.61 58.71,61.61 55.63,64.7 55.63,66.1 49.08,72.64 37.39,72.64 36.38,73.66 23.8,73.66 22.7,74.77 22.7,74.77 22.46,75 19.23,75 18.9,75 18.67,74.77 18.67,74.77 18.15,74.25 v2(18.03,74.25)
  BOTTOM w0.102: v2(18.03,74.25) P19.40
